# Allegro board BeagleBoard-X15_RevA2.brd (continued)
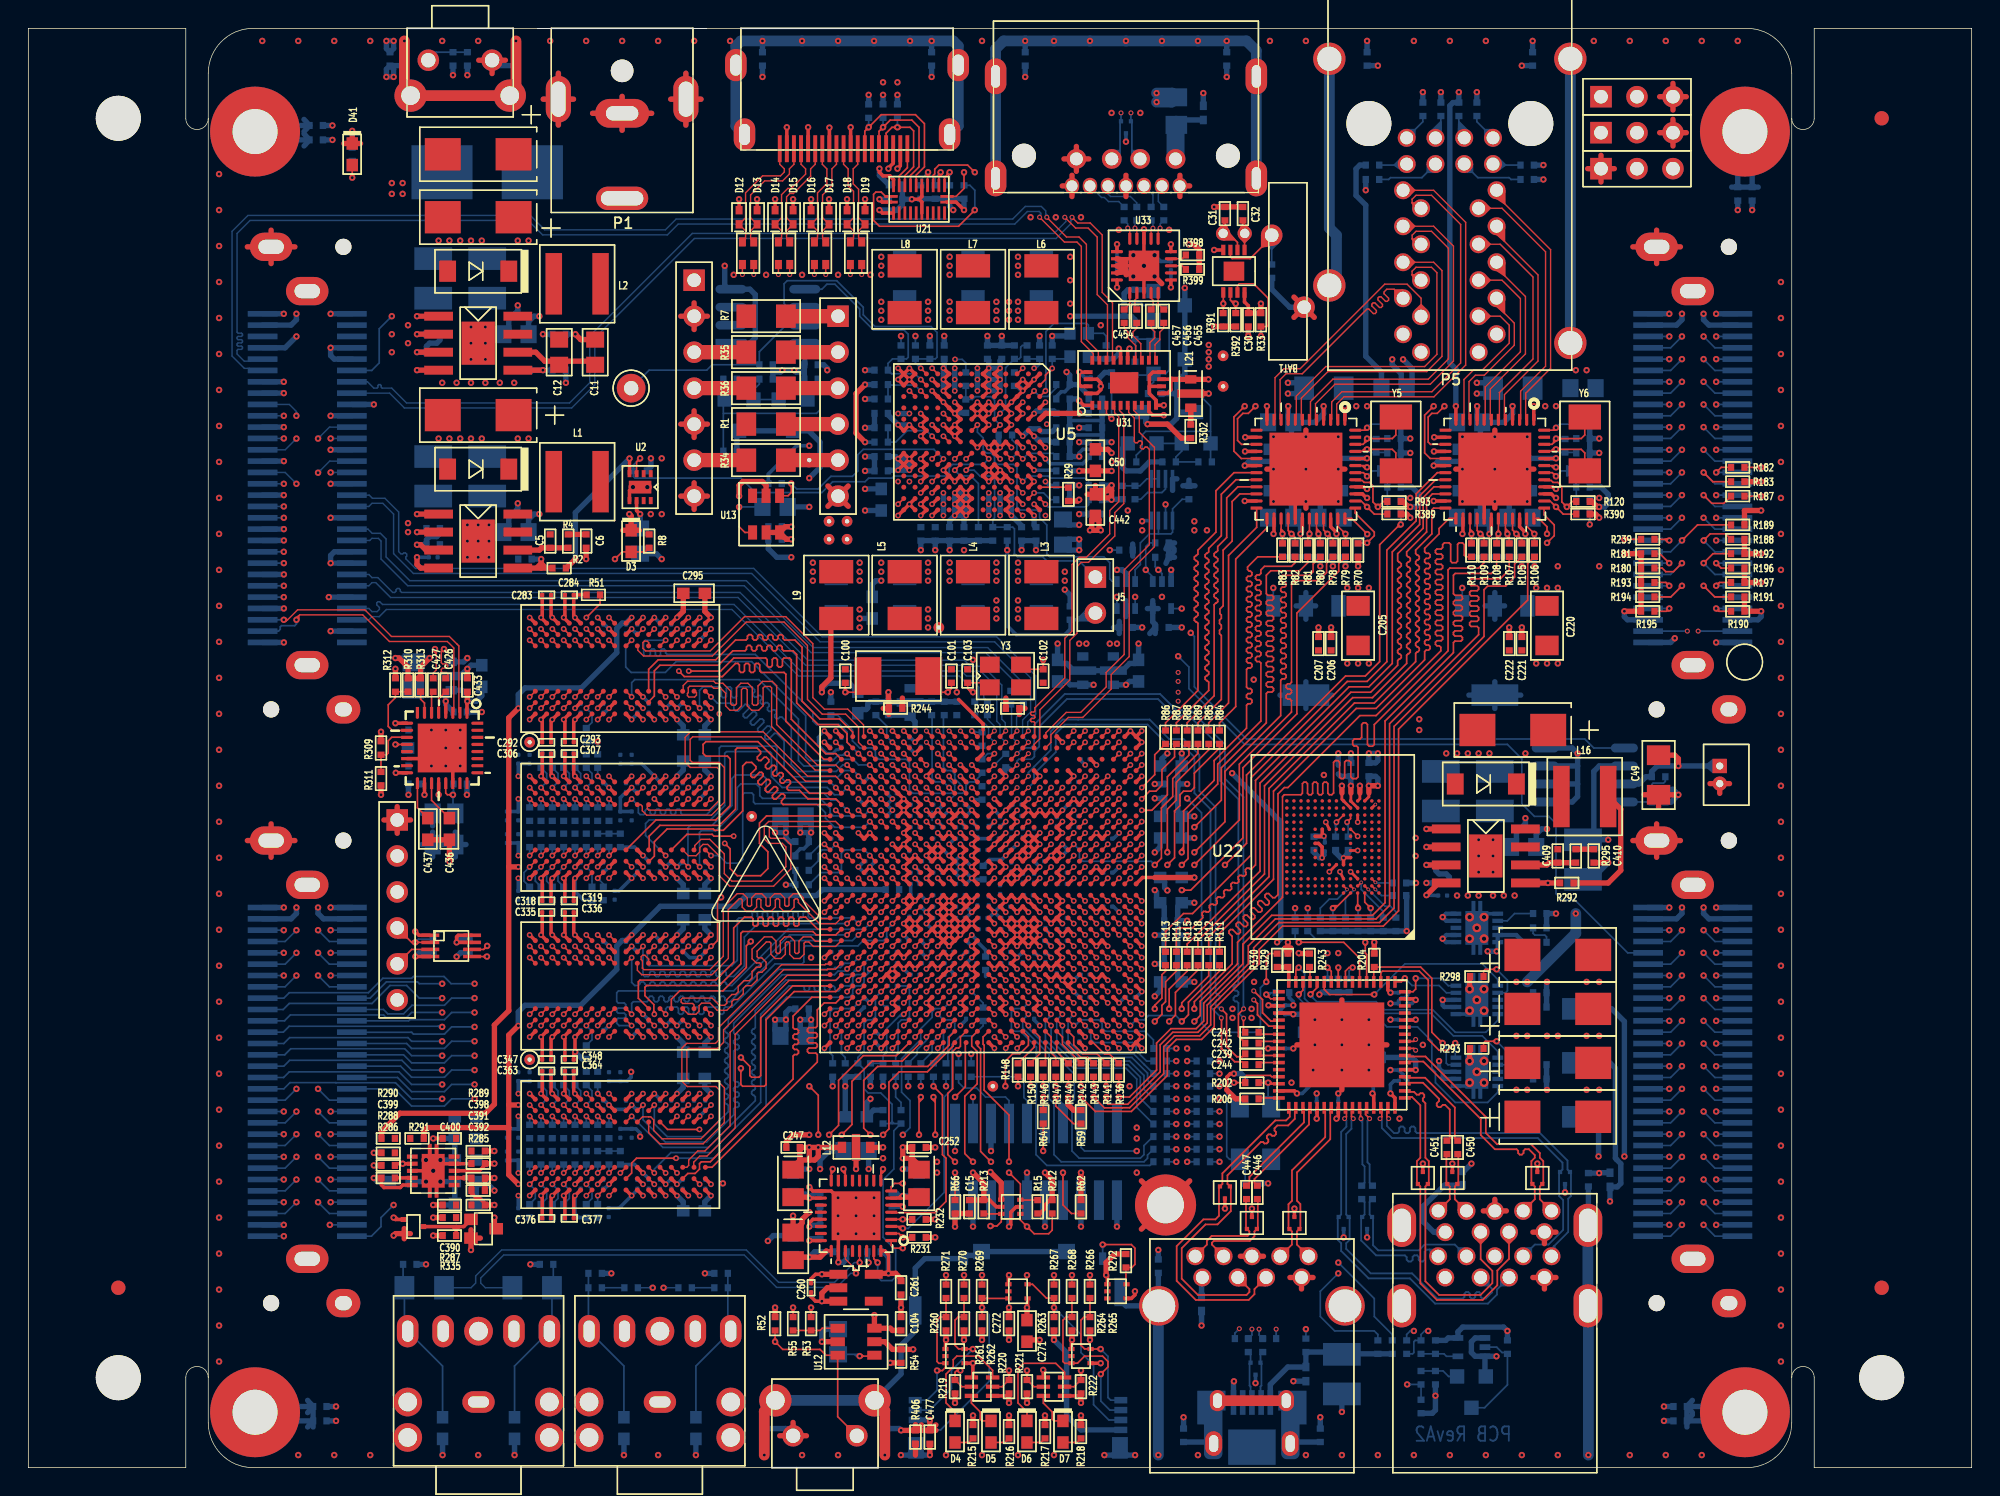
[diagram p0: board, top side]
## Placement (name value [footprint] x y rotation side) (continued)
R346  47,1%  [402]  36.98 23.73 270 bottom
R347  47,1%  [402]  36.98 18.13 270 bottom
R348  47,1%  [402]  40.18 18.13 270 bottom
R349  47,1%  [402]  40.18 23.73 270 bottom
R350  47,1%  [402]  38.58 27.48 90 bottom
R351  47,1%  [402]  39.38 27.48 90 bottom
R352  47,1%  [402]  38.58 23.73 270 bottom
R353  47,1%  [402]  37.78 18.13 270 bottom
R354  47,1%  [402]  37.78 21.88 90 bottom
R355  47,1%  [402]  37.78 23.73 270 bottom
R356  47,1%  [402]  36.98 21.88 90 bottom
R357  47,1%  [402]  35.38 23.73 270 bottom
R358  47,1%  [402]  36.18 27.48 90 bottom
R359  47,1%  [402]  35.38 18.13 270 bottom
R360  47,1%  [402]  40.18 49.88 90 bottom
R361  47,1%  [402]  40.18 46.13 270 bottom
R362  47,1%  [402]  39.38 49.88 90 bottom
R363  47,1%  [402]  38.58 49.88 90 bottom
R364  47,1%  [402]  37.78 46.13 270 bottom
R365  47,1%  [402]  36.98 44.28 90 bottom
R366  47,1%  [402]  36.98 40.53 270 bottom
R367  47,1%  [402]  36.98 49.88 90 bottom
R368  47,1%  [402]  36.18 46.13 270 bottom
R369  47,1%  [402]  36.18 49.88 90 bottom
R370  47,1%  [402]  35.38 46.13 270 bottom
R371  47,1%  [402]  36.98 46.13 270 bottom
R372  47,1%  [402]  40.98 46.13 270 bottom
R373  47,1%  [402]  39.38 44.28 90 bottom
R374  47,1%  [402]  39.38 46.13 270 bottom
R375  47,1%  [402]  38.58 44.28 90 bottom
R376  47,1%  [402]  37.78 49.88 90 bottom
R377  47,1%  [402]  37.78 40.53 270 bottom
R378  47,1%  [402]  38.58 46.13 270 bottom
R379  47,1%  [402]  37.78 44.28 90 bottom
R380  47,1%  [402]  36.18 44.28 90 bottom
R381  47,1%  [402]  36.18 40.53 270 bottom
R382  47,1%  [402]  35.38 44.28 90 bottom
R383  47,1%  [402]  35.38 40.53 270 bottom
R384  0,1%  [402]  25.53 99.44 270 bottom
R385  1M,1%  [402]  60.45 2.29 270 bottom
R386  1M,1%  [402]  91.19 2.29 270 bottom
R387  1M,1%  [402]  63.75 99.44 90 bottom
R389  4.7K  [402]  96.39 67.31 180 top
R390  4.7K  [402]  109.73 67.31 180 top
R391  2.2K,1%  [402]  84.33 81.03 90 top
R392  2.2K,1%  [402]  85.22 81.03 90 top
R393  0,DNI  [402]  89.41 38.35 270 bottom
R394  0,DNI  [402]  90.3 38.35 270 bottom
R395  0,1%  [402]  69.47 53.59 0 top
R396  154K,1%  [402]  115.06 48.77 0 bottom
R397  470K,1%  [402]  115.06 47.88 0 bottom
R398  4.7K  [402]  82.17 85.6 180 top
R399  4.7K  [402]  82.17 84.58 180 top
R400  1M,1%  [402]  20.57 3.3 180 bottom
R401  1M,1%  [402]  116.59 3.3 0 bottom
R402  1M,1%  [402]  20.32 93.73 180 bottom
R403  1M,1%  [402]  121.67 89.92 90 bottom
R404  22.6K,1%  [402]  77.22 68.83 270 bottom
R405  10K,DNI  [402]  81.92 68.83 270 bottom
R406  1M,1%  [402]  62.61 2.16 270 top
R407  10K,1%  [402]  30.99 99.44 90 bottom
R408  47K,1%  [402]  104.39 8.51 270 bottom
R409  620K  [402]  98.3 6.35 90 bottom
R410  330K  [402]  99.31 6.35 270 bottom
R411  10K,1%  [402]  68.96 72.9 180 bottom
R412  0,1%,DNI  [402]  96.27 8.51 90 bottom
R413  0,1%  [402]  98.3 8.51 90 bottom
R414  0,1%,DNI  [402]  97.28 8.51 90 bottom
R415  47K,1%  [402]  99.31 8.51 270 bottom
R416  0,1%,DNI  [402]  87.76 84.45 270 bottom
R417  220,5%  [402]  67.56 35.6 270 bottom
R418  500,1%  [402]  52.07 76.83 180 bottom
R419  DNI  [402]  55.25 76.83 0 bottom
R420  40K,1%  [402]  49.53 71.75 0 bottom
R421  10K,1%  [402]  73.03 68.33 0 bottom
R422  0,1%  [402]  68.99 49.91 270 bottom
R423  500,1%  [402]  80.52 70.99 0 bottom
R424  DNI  [402]  77.72 70.99 0 bottom
R425  40K,1%  [402]  81.53 75.82 180 bottom
R426  DNI  [402]  78.11 82.68 270 bottom
R427  500,1%  [402]  78.11 80.14 270 bottom
R428  40K,1%  [402]  79.5 75.82 0 bottom
R429  10K,1%  [402]  49.53 76.83 180 bottom
R430  10K,1%  [402]  83.06 70.99 0 bottom
R431  10K,1%  [402]  78.11 77.6 270 bottom
S1  SW PUSH_TH  [SW4_EVQF004R]  32.73 99.35 180 top
S2  SW PUSH_TH  [SW4_EVQF004R]  53.98 2.25 0 top
TP4  TESTPT1  [TP1-8040]  42.55 76.2 0 top
TP5  TP  [TP30C12D]  56.52 65.53 180 bottom
TP6  TP  [TP30C12D]  68.07 26.92 180 bottom
TP7  TP  [TP30C12D]  56.52 66.8 180 bottom
TP8  TP  [TP30C12D]  57.79 66.8 180 bottom
TP9  TP  [TP30C12D]  57.79 65.53 180 bottom
TP13  TP  [TP30C12D]  55.12 71.12 180 bottom
TP16  TP  [TP30C12D]  51.05 45.97 180 bottom
TP17  TP  [TP30C12D]  84.33 78.49 180 bottom
TP18  TP  [TP30C12D]  84.33 76.33 180 bottom
TP19  TP  [TP30C12D]  64.26 59.31 180 bottom
TP20  TP  [TP30C12D]  35.38 51.21 0 top
TP21  TP  [TP30C12D]  35.38 28.8 0 top
U1  TPS54531D  [DDA-8]  31.75 65.41 0 top
U2  TPS22965DSG  [WSON-8]  43.18 69.22 180 top
U3  TPS54531D  [DDA-8]  31.75 79.38 0 top
U4  TMP102AIDRLT  [SOT563]  69.34 18.41 90 top
U5  TPS6590374zwsr  [BGA169_N13_P8]  66.59 72.41 270 top
U6  MCP79410,TFDN  [DFN8_2X3MM]  85.09 84.45 270 top
U7  CDCM9102RHBR  [QFN32]  29.21 50.8 180 top
U8  MEM_24WC256_8SOIC  [SOIC_8]  52.2 81.28 90 bottom
U9  SN74LVC1G11DBV  [SC70-6]  77.47 61.59 0 bottom
U10  SN74LVC1G08DCK  [SC70-5]  80.01 61.59 0 bottom
U11  AM572x  [SKTBGA-ZKK-6334-P760]  67.39 40.81 180 top
U12  TPS_3808G09  [SOT23-6]  58.42 8.89 270 top
U13  TPS_3808G09  [SOT23-6]  52.07 67.31 180 top
U14  KSZ9031RNX  [QFN48]  90.17 70.48 180 top
U15  KSZ9031RNX  [QFN48]  103.5 70.48 180 top
U16  TPS74801  [DRC10-11X33]  102.23 38.1 90 bottom
U17  TUSB8041  [VQFN64S9X9P5]  92.71 29.84 90 top
U18  TLV320AIC3104  [QFN32]  58.42 17.78 90 top
U19  TPS77018DBV  [SOT23-5]  58.42 12.7 270 top
U20  SN74LVC2G241  [U_8_DCU]  29.84 36.83 270 top
U21  TPD12S016 24UQFN  [QFN24S_2X4P4]  62.87 89.53 270 top
U22  MEM_MNAND_4GB  [BGA153_P14_P5_11P5X13]  92.08 43.81 180 top
U23  256MBx16 DDR3L  [BGA96_T9_P8_9X14]  41.78 56.41 270 top
U24  256MBx16 DDR3L  [BGA96_T9_P8_9X14]  41.78 45.21 270 top
U25  256MBx16 DDR3L  [BGA96_T9_P8_9X14]  41.78 22.8 270 top
U26  256MBx16 DDR3L  [BGA96_T9_P8_9X14]  41.78 34 270 top
U27  TPS51200_10SON  [DRC10-11X33]  28.58 20.95 90 top
U28  TPS54531D  [DDA-8]  102.87 43.18 0 top
U29  TPS2561DRC  [DRC10-11X33]  102.23 27.94 90 bottom
U30  TPS2561DRC  [DRC10-11X33]  102.23 33.02 90 bottom
U31  PI2DBS212_TQFN  [TQFN28S_3P5X5P5P5]  77.34 76.58 90 top
U32  TL5209  [SO8-25X75]  109.86 48.9 270 bottom
U33  SN75LVCP412A  [QFN20S4X4P5-2]  78.74 84.84 90 top
U34  SN74LVC2G132DCU  [U_8_DCU]  80.01 68.33 180 bottom
U35  TLVH431  [SOT23-3]  50.16 74.3 0 bottom
U42  SN74LVC1G06DCK  [SC70-5]  101.85 8.51 270 bottom
U43  TLVH431  [SOT23-3]  82.42 73.41 180 bottom
U44  TLVH431  [SOT23-3]  80.52 78.23 90 bottom
Y1  CFS206-32.768KDZB  [XTAL_CFS-206]  85.09 87.12 270 bottom
Y2  20MHz,SMD  [XTAL2_6X3P5_SMD]  61.4 55.88 180 top
Y3  22.5792MHZ  [XTAL4_3P2X2P5_SMD]  68.96 55.88 0 top
Y5  25MHz  [XTAL_3P2X5SMD]  96.52 72.26 90 top
Y6  25MHz  [XTAL_3P2X5SMD]  109.86 72.26 90 top
Y7  24MHz  [OSC4_87-146SMD_126X197-1]  86.61 23.62 270 bottom
Y8  25MHz,8pF  [XTAL4_3P2X2P5_SMD]  29.34 45.09 90 bottom
Y9  16.384MHz  [OSC4_2P5X2P0XP5]  74.17 79.25 90 bottom

## Library data of the parts
BAT1 = BATT_HOLD_BH501
C1 C7 C401 = CAP_0.1uF_X7R_25V_10% 0805
C2 C8 C9 C403 C404 C406 C411 C413 = CAP_100UF_TANT_6.3V_3528-21: Tolerance: TOL*; User Part Number: P/N*
C3 C14 C402 C438-C440 C445 = CAP_4.7uF_X5R_50V_10%_LESR_1210: Tolerance: TOL*; User Part Number: P/N*
C4 C13 C408 = CAP_8.2nF_X5R_10V_10%_0201
C5 C10 C409 = CAP
C6 C410 = CAP_6.8nF_X7R_50V_10%_0805
C11 = CAP_820PF_X5R_50V_10%_0805
C12 = CAP_15PF_NPO_50V_5%_0805
C15 C16 C30 C81 C94 C97 C99 C104 C105 C108 C110 C111 C207 C209 C211 C213 C215 C216 C222 C224 C225 C228 C230 C231 C239 C241 C242 C244 C247 C248 C252 C253 C258 C259 C262 C264 C270 C272 C274 C334 C388 C392 C398 C399 C405 C407 C412 C414 C415 C419 C422-C428 C430 C433 C434 C441 C446-C451 = CAP_0.1uF_X7R_16V_10% 0402: signal model: CAP_0.1UF_X7R_16V_10%_0402__402_0.1uf_16V
C17-C22 C24-C29 C63 C80 C92 C246 C255 C256 C267 C496 C500 = CAP_2.2uF_X5R_6.3V_10%_0402
C23 C50 C53 C54 C113 C122 C130 C131 C189 C190 C202 C208 C210 C212 C219 C223 C226 C227 C234 C238 C249 C254 C257 C271 C295 C312 C327 C341 C350 C361 C369 C387 C389 C393-C397 C431 C432 C436 C437 C442 C481 C494 C497 = CAP_10uF_X5R_6.3V_20%_0603
C31 C32 = CAP_10PF_COG_50V_5%_0402
C33 C35 C37 C39 C41 C43 C45 C46 C48 C64 C70 C163 C179 C261 C265 C268 = CAP_4.7uF_X5R_6.3V_20%_0402
C34 C36 C38 C40 C42 C44 C47 C49 C205 C214 C220 C229 C250 C251 = CAP_47uF_X5R_6.3V_20%_1206
C51 C55 C57-C62 C66-C69 C71-C77 C82-C87 C95 C96 C98 C114-C121 C123-C129 C132-C140 C157-C160 C169 C170 C173-C178 C181-C188 C191-C196 C198-C201 C203 C204 C236 C243 C263 C273 C421 C470 C482-C493 C498 C499 = CAP_0.1uF_X5R_6.3V_20% 0201
C52 C56 C78 C88 C89 C161 C162 C165-C168 C171 C172 C266 C269 C275-C294 C296-C311 C313-C326 C328-C333 C335-C340 C342-C349 C351-C360 C362-C368 C370-C386 = CAP_0.22uf_X5R_6.3V_20%_0201
C65 C79 = CAP_0.47UF_X5R_4V_20%_0201
C90 C91 C141-C155 C164 C260 C471 C495 = CAP_1.0UF_X5R_4V_20%_0201
C93 C156 C180 = CAP_22uF_X5R_6.3V_20%_0805
C100-C103 C232 C233 = CAP_18PF_COG_50V_5%_0402
C109 C112 = CAP_220PF_X7R_50V_10%_0402
C197 C237 C245 C390 C391 C429 = CAP_0.001_X7R_50V_10%_0402
C206 C221 = CAP_4.7uF_X5R_6.3V_20%_0402: signal model: CAP_0.1UF_X7R_16V_10%_0402__402_0.1uf_16V
C217 C218 = CAP_18PF_NPO_50V_5%_0402
C235 C240 = CAP_33PF_COG_50V_5%_0402
C400 = CAP_10PF_NPO_50V_5%_0402
C416-C418 C420 C454-C457 = CAP_0.1uF_X7R_16V_10% 0402: signal model: CAP_0.1UF_X7R_16V_10%_0402__4_1_0.01uf_16V
C435 = CAP_DNI_0402
C443 = CAP_470PF_X7R_25V_10%_0402
C452 C453 = C_12pF/0402/50V_COG_0402
C472-C478 = CAP_0.1uF_X7R_16V_10% 0402
C479 = CAP_10uF_X5R_6.3V_20%_0603: Tolerance: TOL*; User Part Number: P/N*
D1 D2 D24 = DIO_ZEN_DDZ9678-7_1.8V
D3-D7 D41 = LED_LTST_C150GKT
D8-D11 = PROT_PESD0603_240
D12-D19 = IC_TPD1E05U06_0
D20-D23 = IC_TPD2E001DRL
D25-D33 D38 D40 = IC_TPD2EUSB30ADRTR_1: Tolerance: TOL*; User Part Number: P/N*
D34-D37 D42 = IC_TPD1E05U06
F1 = FUSE_4A_QUICK
FB1 FB3-FB5 FB7-FB9 = FERRITE_180_800_0805
FB2 FB6 R316 R317 R393 R394 R412 R414 R416 R422 = RES_0_1/16W_1%_0402
FL1-FL4 = CHOKE_DLW21SN121HQ2_3: Tolerance: TOL*; User Part Number: P/N*
J1 J5 = HDR_1x1_M_.1
J3 J4 J6 = HDR_1x3_0.1
L1 L2 L16 = INDUCTOR
L3-L9 = IND_PWR_1.0uH_4.2A_SMD
L10-L12 L21 L22 L24 = FLT_HIFREQ_.47UF
L13-L15 L17-L20 L23 = FERRITE_220_0805: Tolerance: TOL*; User Part Number: P/N*
MH1-MH5 = TESTPOINT
P1 = CONN_PWR_2_5X5_5
P2 = HDR_5x2_M_3.1
P3 = HDR_5x2_M_2.1: User Part Number: ***
P4 = HDR_JTAG_20P
P5 = CONN_RJ45_DUAL_GIGABIT_1
P6 = CONN_11P_eSATA
P7 = CONN_MINI-USB-AB_1
P8 P9 = CONN_STEREO_3.5MM_1SW
P10 = HEADER 6: User Part Number: ***
P11 = HDMI-RA-19_0: Tolerance: TOL; User Part Number: PART#
P12 = microSD_CONN_0: User Part Number: X; Tolerance: X
P13 = CONN_USB3_3.0_A
P15 = CONN_USB3_3.0_A_DUAL
P16-P19 = CONN_30x2_5.27mm: Tolerance: TOL*; User Part Number: PRT#
Q1 Q2 = IRF5210S/SM_0
Q3 Q4 = TRN_DMC56404
Q5 = TRN_NTA4153N
Q6 = TRN_BSS138_0
Q7 = BSS138/SOT_0: Tolerance: TOL*; User Part Number: P/N*
Q8-Q10 = TRN_1: Tolerance: TOL*; User Part Number: P/N*
R1 R7 R34-R36 = RES 0.002_1/2W_1%_0805
R2 R13 R292 = RES_10.1K_1/16W_1%_0402
R3 R5 R9 R14 R294 R296 = RESISTOR
R4 R12 R92 R119 R293 R295 = RES_12.1K_1/16W_1%_0402
R6 R11 R297 = RES_20.5K_1/16W_1%_0402
R8 R70-R73 R90 R91 R99 R100 R116 R117 R240 R273 R274 R303 R328 = RES_1K_1/16W_5%_0402
R10 R20-R24 R26 R27 R31 R37 R41 R42 R44 R46 R49-R52 R56 R58 R74-R77 R93 R120 R180-R183 R187 R188 R190-R197 R200 R205 R214 R236 R239 R247 R248 R260-R265 R272 R285 R287 R288 R313 R320 R321 R330 R335 R405 R407-R411 R415 R419-R421 R424-R426 R428-R431 = RES_10K_1/16W_1%_0402
R15 R33 = RES_4.75K_1/16W_1%_0402
R16 R17 R43 R212 R213 R391 R392 = RES_2.2K_1/16W_1%_0402
R18 R19 R28 R38 R40 R45 R47 R54 R55 R94 R121 R189 R237 R241 R242 R250-R259 R311 R312 R318 R319 R322 R323 = RES_DNI_1/16W_1%_0402
R29 R30 R32 R39 R53 R57 R84-R89 R96 R111-R115 R118 R123 R244 R249 R290 R291 R302 R384 R395 R413 = RES_0_1/16W_1%_0402: signal model: RES_0_1/16W_1%_0402_402_0_1%_0_1%
R48 R95 R101-R104 R122 R219-R222 R286 R298 R309 R310 = RES_100K_1/16W_1%_0402
R59 R62 R66 R204 R207 R209 R215-R218 R243 R245 R246 R333 R334 R389 R390 R398 R399 = RES_4.7K_1/16W_5%_0402
R61 R63 R64 R78-R83 R105-R110 R124-R136 R138-R150 R152 R153 R223 = RES_22_1/16W_5%_0402: signal model: RES_22_1/16W_5%_0402_402_22_5%_22_5%
R68 R69 R97 R98 R417 = RES_220_1/16W_5%_0402
R201 = RES_1.87K_1/16W_1%_0402
R202 R299 R300 R331 R332 R385-R387 R400-R403 R406 = RES_1M_1/16W_1%_0402
R203 = RES_4.99K_1/16W_1%_0402
R206 = RES_9.09K_1/16W_1%_0402
R210 R211 R314 R315 = RES_27_1/16W_1%_0402
R224 R225 R227 R229 R230 R233 R289 = RES_10_1/10W_5%_0402
R226 R228 R231 R232 R234 R235 R329 = RES_20K_1/16W_1%_0402
R266-R271 = RES_33_1/16W_5%_0402
R275-R278 R418 R423 R427 = RES_240_1/16W_1%_0402
R279-R284 = RES_49.9K_1/16W_1%_0402
R308 = RES_100_1/10W_5%_0402
R336-R383 = RES_47_1/16W_1%_0402
R396 R397 = RES_470_1/10W_5%_0402
R404 = RES_22.6K_1/16W_1%_0402
S1 S2 = SW PUSH_TH: Tolerance: X; User Part Number: X
TP4 = TESTPT1
TP5-TP9 TP13 TP16-TP21 = TP
U1 U3 U28 = IC_TPS54331,3A_0: Tolerance: TOL*; User Part Number: P/N*
U2 = TPS22965DSG_1
U4 = IC_TMP102AIDRL_SOT563
U5 = IC_TPS659039_8
U6 = IC_MCP79410: Tolerance: TOL*; User Part Number: P/N*
U7 = IC_CDCM9102RHBR_0
U8 = MEM_24WC256_0
U9 = IC_SN74LVC1G11_DRY
U10 = IC_SN74LVC1G08_DCK
U11 = IC_AM572x_BGA_31
U12 U13 = PWR_TPS3808G09DBVR_SOT23_0
U14 U15 = IC_KSZ9031RNX_QFN48_9
U16 = PWR_TPS74801_SON: Tolerance: X; User Part Number: X
U17 = IC_TUSB8041_2
U18 = IC_TLV320AIC3104_5
U19 = PWR_TPS7018DBV_SOT23_5
U20 = IC_SN74LVC2G241_1
U21 = IC_TPD12S016
U22 = MEM_MNAND_1
U23-U26 = MEM_DDR3L_256MBx16_0
U27 = IC_TPS51200_10S0N: Tolerance: X; User Part Number: X
U29 U30 = PWR_TPS2560_DRC_0: Tolerance: X; User Part Number: X
U31 = IC_PI2DBS212ZHE_TQFN_9
U32 = PWR_TLV70233DBV_0: Tolerance: X; User Part Number: X
U33 = IC_SN75LVCP412A_1
U34 = IC_SN74LVC2G132DCU
U35 U43 U44 = MA735/TO_0: Tolerance: TOL*; User Part Number: P/N*
U42 = IC_SN74LVC1G06DCK
Y1 = CRYS_32_768KHz_SMD
Y2 = CRYS_20MHz_12.5pF_2P_3.2x1.5
Y3 = CRYS_22.5792MHz_7pF_4P_3.2x2.5
Y5 Y6 = CRYS_25MHz_18pF_2P_5.0x3.2
Y7 = CRYS_24MHz_2PIN: Tolerance: TOL*; User Part Number: P/N*
Y8 = CRYS_25MHz_8pF_4P_3.2x2.5
Y9 = CRYS_24MHz_SCC: Tolerance: TOL*; User Part Number: P/N*

## Footprints (pads in the part's own frame, mm; a bottom-side part is the same pattern mirrored in y, then rotated)
2XSON
  rect 0.6x0.5 smd: 1(-0.5,0) 2(0.5,0)
201
  custom 0.3x0.3 smd: 1(-0.312,0) 2(0.312,0)
402
  rect 0.45x0.5 smd: 1(-0.475,0) 2(0.475,0)
603
  rect 0.889x0.813 smd: 1(-0.762,0) 2(0.762,0)
805
  rect 1.143x1.27 smd: 1(-0.889,0) 2(0.889,0)
1206
  rect 1.397x1.651 smd: 1(-1.397,0) 2(1.397,0)
1210
  rect 1.6x2.667 smd: 1(-1.397,0) 2(1.397,0)
6032
  rect 2.54x2.286 smd: 1(-2.499,0) 2(2.499,0)
BATT2_78X492
  round 1.524 hole 0.965: 1(-2.54,-1.143) 2(2.54,1.143)
BGA96_T9_P8_9X14
  round 0.356 smd: A1(-3.2,6.001) A2(-2.4,6.001) A3(-1.6,6.001) A7(1.6,6.001) A8(2.4,6.001) A9(3.2,6.001) B1(-3.2,5.201) B2(-2.4,5.201) B3(-1.6,5.201) B7(1.6,5.201) B8(2.4,5.201) B9(3.2,5.201) C1(-3.2,4.401) C2(-2.4,4.401) C3(-1.6,4.401) C7(1.6,4.401) C8(2.4,4.401) C9(3.2,4.401) D1(-3.2,3.6) D2(-2.4,3.6) D3(-1.6,3.6) D7(1.6,3.6) D8(2.4,3.6) D9(3.2,3.6) E1(-3.2,2.8) E2(-2.4,2.8) E3(-1.6,2.8) E7(1.6,2.8) E8(2.4,2.8) E9(3.2,2.8) F1(-3.2,2) F2(-2.4,2) F3(-1.6,2) F7(1.6,2) F8(2.4,2) F9(3.2,2) G1(-3.2,1.2) G2(-2.4,1.2) G3(-1.6,1.2) G7(1.6,1.2) G8(2.4,1.2) G9(3.2,1.2) H1(-3.2,0.4) H2(-2.4,0.4) H3(-1.6,0.4) H7(1.6,0.4) H8(2.4,0.4) H9(3.2,0.4) J1(-3.2,-0.4) J2(-2.4,-0.4) J3(-1.6,-0.4) J7(1.6,-0.4) J8(2.4,-0.4) J9(3.2,-0.4) K1(-3.2,-1.2) K2(-2.4,-1.2) K3(-1.6,-1.2) K7(1.6,-1.2) K8(2.4,-1.2) K9(3.2,-1.2) L1(-3.2,-2) L2(-2.4,-2) L3(-1.6,-2) L7(1.6,-2) L8(2.4,-2) L9(3.2,-2) M1(-3.2,-2.8) M2(-2.4,-2.8) M3(-1.6,-2.8) M7(1.6,-2.8) M8(2.4,-2.8) M9(3.2,-2.8) N1(-3.2,-3.6) N2(-2.4,-3.6) N3(-1.6,-3.6) N7(1.6,-3.6) N8(2.4,-3.6) N9(3.2,-3.6) P1(-3.2,-4.401) P2(-2.4,-4.401) P3(-1.6,-4.401) P7(1.6,-4.401) P8(2.4,-4.401) P9(3.2,-4.401) R1(-3.2,-5.201) R2(-2.4,-5.201) R3(-1.6,-5.201) R7(1.6,-5.201) R8(2.4,-5.201) R9(3.2,-5.201) T1(-3.2,-6.001) T2(-2.4,-6.001) T3(-1.6,-6.001) T7(1.6,-6.001) T8(2.4,-6.001) T9(3.2,-6.001)
BGA153_P14_P5_11P5X13
  round 0.254 smd: A1(-3.25,3.25) A2(-2.75,3.25) A3(-2.25,3.25) A4(-1.75,3.25) A5(-1.25,3.25) A6(-0.75,3.25) A7(-0.25,3.25) A8(0.25,3.25) A9(0.75,3.25) A10(1.25,3.25) A11(1.75,3.25) A12(2.25,3.25) A13(2.75,3.25) A14(3.25,3.25) B1(-3.25,2.75) B2(-2.75,2.75) B3(-2.25,2.75) B4(-1.75,2.75) B5(-1.25,2.75) B6(-0.75,2.75) B7(-0.25,2.75) B8(0.25,2.75) B9(0.75,2.75) B10(1.25,2.75) B11(1.75,2.75) B12(2.25,2.75) B13(2.75,2.75) B14(3.25,2.75) C1(-3.25,2.25) C2(-2.75,2.25) C3(-2.25,2.25) C4(-1.75,2.25) C5(-1.25,2.25) C6(-0.75,2.25) C7(-0.25,2.25) C8(0.25,2.25) C9(0.75,2.25) C10(1.25,2.25) C11(1.75,2.25) C12(2.25,2.25) C13(2.75,2.25) C14(3.25,2.25) D1(-3.25,1.75) D2(-2.75,1.75) D3(-2.25,1.75) D4(-1.75,1.75) D12(2.25,1.75) D13(2.75,1.75) D14(3.25,1.75) E1(-3.25,1.25) E2(-2.75,1.25) E3(-2.25,1.25) E5(-1.25,1.25) E6(-0.75,1.25) E7(-0.25,1.25) E8(0.25,1.25) E9(0.75,1.25) E10(1.25,1.25) E12(2.25,1.25) E13(2.75,1.25) E14(3.25,1.25) F1(-3.25,0.75) F2(-2.75,0.75) F3(-2.25,0.75) F5(-1.25,0.75) F10(1.25,0.75) F12(2.25,0.75) F13(2.75,0.75) F14(3.25,0.75) G1(-3.25,0.25) G2(-2.75,0.25) G3(-2.25,0.25) G5(-1.25,0.25) G10(1.25,0.25) G12(2.25,0.25) G13(2.75,0.25) G14(3.25,0.25) H1(-3.25,-0.25) H2(-2.75,-0.25) H3(-2.25,-0.25) H5(-1.25,-0.25) H10(1.25,-0.25) H12(2.25,-0.25) H13(2.75,-0.25) H14(3.25,-0.25) J1(-3.25,-0.75) J2(-2.75,-0.75) J3(-2.25,-0.75) J5(-1.25,-0.75) J10(1.25,-0.75) J12(2.25,-0.75) J13(2.75,-0.75) J14(3.25,-0.75) K1(-3.25,-1.25) K2(-2.75,-1.25) K3(-2.25,-1.25) K5(-1.25,-1.25) K6(-0.75,-1.25) K7(-0.25,-1.25) K8(0.25,-1.25) K9(0.75,-1.25) K10(1.25,-1.25) K12(2.25,-1.25) K13(2.75,-1.25) K14(3.25,-1.25) L1(-3.25,-1.75) L2(-2.75,-1.75) L3(-2.25,-1.75) L12(2.25,-1.75) L13(2.75,-1.75) L14(3.25,-1.75) M1(-3.25,-2.25) M2(-2.75,-2.25) M3(-2.25,-2.25) M4(-1.75,-2.25) M5(-1.25,-2.25) M6(-0.75,-2.25) M7(-0.25,-2.25) M8(0.25,-2.25) M9(0.75,-2.25) M10(1.25,-2.25) M11(1.75,-2.25) M12(2.25,-2.25) M13(2.75,-2.25) M14(3.25,-2.25) N1(-3.25,-2.75) N2(-2.75,-2.75) N3(-2.25,-2.75) N4(-1.75,-2.75) N5(-1.25,-2.75) N6(-0.75,-2.75) N7(-0.25,-2.75) N8(0.25,-2.75) N9(0.75,-2.75) N10(1.25,-2.75) N11(1.75,-2.75) N12(2.25,-2.75) N13(2.75,-2.75) N14(3.25,-2.75) P1(-3.25,-3.25) P2(-2.75,-3.25) P3(-2.25,-3.25) P4(-1.75,-3.25) P5(-1.25,-3.25) P6(-0.75,-3.25) P7(-0.25,-3.25) P8(0.25,-3.25) P9(0.75,-3.25) P10(1.25,-3.25) P11(1.75,-3.25) P12(2.25,-3.25) P13(2.75,-3.25) P14(3.25,-3.25)
BGA169_N13_P8
  round 0.356 smd: A1(-4.8,4.8) A2(-4,4.8) A3(-3.2,4.8) A4(-2.4,4.8) A5(-1.6,4.8) A6(-0.8,4.8) A7(0,4.8) A8(0.8,4.8) A9(1.6,4.8) A10(2.4,4.8) A11(3.2,4.8) A12(4,4.8) A13(4.8,4.8) B1(-4.8,4) B2(-4,4) B3(-3.2,4) B4(-2.4,4) B5(-1.6,4) B6(-0.8,4) B7(0,4) B8(0.8,4) B9(1.6,4) B10(2.4,4) B11(3.2,4) B12(4,4) B13(4.8,4) C1(-4.8,3.2) C2(-4,3.2) C3(-3.2,3.2) C4(-2.4,3.2) C5(-1.6,3.2) C6(-0.8,3.2) C7(0,3.2) C8(0.8,3.2) C9(1.6,3.2) C10(2.4,3.2) C11(3.2,3.2) C12(4,3.2) C13(4.8,3.2) D1(-4.8,2.4) D2(-4,2.4) D3(-3.2,2.4) D4(-2.4,2.4) D5(-1.6,2.4) D6(-0.8,2.4) D7(0,2.4) D8(0.8,2.4) D9(1.6,2.4) D10(2.4,2.4) D11(3.2,2.4) D12(4,2.4) D13(4.8,2.4) E1(-4.8,1.6) E2(-4,1.6) E3(-3.2,1.6) E4(-2.4,1.6) E5(-1.6,1.6) E6(-0.8,1.6) E7(0,1.6) E8(0.8,1.6) E9(1.6,1.6) E10(2.4,1.6) E11(3.2,1.6) E12(4,1.6) E13(4.8,1.6) F1(-4.8,0.8) F2(-4,0.8) F3(-3.2,0.8) F4(-2.4,0.8) F5(-1.6,0.8) F6(-0.8,0.8) F7(0,0.8) F8(0.8,0.8) F9(1.6,0.8) F10(2.4,0.8) F11(3.2,0.8) F12(4,0.8) F13(4.8,0.8) G1(-4.8,0) G2(-4,0) G3(-3.2,0) G4(-2.4,0) G5(-1.6,0) G6(-0.8,0) G7(0,0) G8(0.8,0) G9(1.6,0) G10(2.4,0) G11(3.2,0) G12(4,0) G13(4.8,0) H1(-4.8,-0.8) H2(-4,-0.8) H3(-3.2,-0.8) H4(-2.4,-0.8) H5(-1.6,-0.8) H6(-0.8,-0.8) H7(0,-0.8) H8(0.8,-0.8) H9(1.6,-0.8) H10(2.4,-0.8) H11(3.2,-0.8) H12(4,-0.8) H13(4.8,-0.8) J1(-4.8,-1.6) J2(-4,-1.6) J3(-3.2,-1.6) J4(-2.4,-1.6) J5(-1.6,-1.6) J6(-0.8,-1.6) J7(0,-1.6) J8(0.8,-1.6) J9(1.6,-1.6) J10(2.4,-1.6) J11(3.2,-1.6) J12(4,-1.6) J13(4.8,-1.6) K1(-4.8,-2.4) K2(-4,-2.4) K3(-3.2,-2.4) K4(-2.4,-2.4) K5(-1.6,-2.4) K6(-0.8,-2.4) K7(0,-2.4) K8(0.8,-2.4) K9(1.6,-2.4) K10(2.4,-2.4) K11(3.2,-2.4) K12(4,-2.4) K13(4.8,-2.4) L1(-4.8,-3.2) L2(-4,-3.2) L3(-3.2,-3.2) L4(-2.4,-3.2) L5(-1.6,-3.2) L6(-0.8,-3.2) L7(0,-3.2) L8(0.8,-3.2) L9(1.6,-3.2) L10(2.4,-3.2) L11(3.2,-3.2) L12(4,-3.2) L13(4.8,-3.2) M1(-4.8,-4) M2(-4,-4) M3(-3.2,-4) M4(-2.4,-4) M5(-1.6,-4) M6(-0.8,-4) M7(0,-4) M8(0.8,-4) M9(1.6,-4) M10(2.4,-4) M11(3.2,-4) M12(4,-4) M13(4.8,-4) N1(-4.8,-4.8) N2(-4,-4.8) N3(-3.2,-4.8) N4(-2.4,-4.8) N5(-1.6,-4.8) N6(-0.8,-4.8) N7(0,-4.8) N8(0.8,-4.8) N9(1.6,-4.8) N10(2.4,-4.8) N11(3.2,-4.8) N12(4,-4.8) N13(4.8,-4.8)
CHOKE4_0805-2
  rect 0.65x0.5 smd: 1(-0.8,-0.4) 2(0.8,-0.4) 3(0.8,0.4) 4(-0.8,0.4)
CON2_49LS
  rect 1.016x1.016 hole 0.508: 1(0,0)
  round 1.016 hole 0.508: 2(0,-1.245)
DDA-8
  rect 2.032x0.635 smd: 1(-2.794,1.905) 2(-2.794,0.635) 3(-2.794,-0.635) 4(-2.794,-1.905) 5(2.794,-1.905) 6(2.794,-0.635) 7(2.794,0.635) 8(2.794,1.905)
  rect 2.362x3.048 smd: 9(0,0)
DFN8_2X3MM
  rect 1.36x1.46 smd: (0,0)
  rect 0.75x0.3 smd: 1(-1.5,0.75) 2(-1.5,0.25) 3(-1.5,-0.25) 4(-1.5,-0.75) 5(1.5,-0.75) 6(1.5,-0.25) 7(1.5,0.25) 8(1.5,0.75)
DO221AC
  rect 1.194x1.499 smd: 1(-2.159,0) 2(2.159,0)
DRC10-11X33
  rect 0.305x0.762 smd: 1(-1.001,-1.473) 2(-0.5,-1.473) 3(0,-1.473) 4(0.5,-1.473) 5(1.001,-1.473) 6(1.001,1.473) 7(0.5,1.473) 8(0,1.473) 9(-0.5,1.473) 10(-1.001,1.473)
  custom 3.81x1.626 smd: 11(0,0)
ESATA-USB_COMBO_RA
  round 1.702 hole 1.702 unplated: (2.13,7.2) (2.13,-7.2)
  round 1.397 hole 0.914: 1(1.905,-3.5) 2(1.905,-1) 3(1.905,1) 4(1.905,3.5)
  oval 1.143x1.016 hole 0.787: 5(0,3.81) 6(0,2.54) 7(0,1.27) 8(0,0) 9(0,-1.27) 10(0,-2.54) 11(0,-3.81)
  oval 2.54x1.524 hole 1.6x0.635: 14(7.73,-9.2) 15(0.53,-9.2) 16(0.53,9.2) 17(7.73,9.2)
FLT3SMD_0805-2
  rect 0.6x0.8 smd: 1(-1,0) 3(1,0)
  rect 0.6x1.9 smd: 2(0,0)
FU250_200X400SMD
  rect 4.318x3.81 smd: 1(-3.188,0) 2(3.188,0)
HDMI-SMT-W-FLANGE
  rect 0.279x1.905 smd: 1(4.75,0) 2(4.249,0) 3(3.749,0) 4(3.249,0) 5(2.748,0) 6(2.248,0) 7(1.748,0) 8(1.247,0) 9(0.747,0) 10(0.246,0) 11(-0.254,0) 12(-0.754,0) 13(-1.255,0) 14(-1.755,0) 15(-2.256,0) 16(-2.756,0) 17(-3.256,0) 18(-3.757,0) 19(-4.257,0)